# Altium PCB 同向放大器.PcbDoc
Units mm, origin at the board's own origin, x right, y up, seen from the top; angles counter-clockwise.
Board outline 36 x 27 mm, 2 copper layers (Top Layer, Bottom Layer); 20 components, 10 nets, 52 pads, 5 vias.
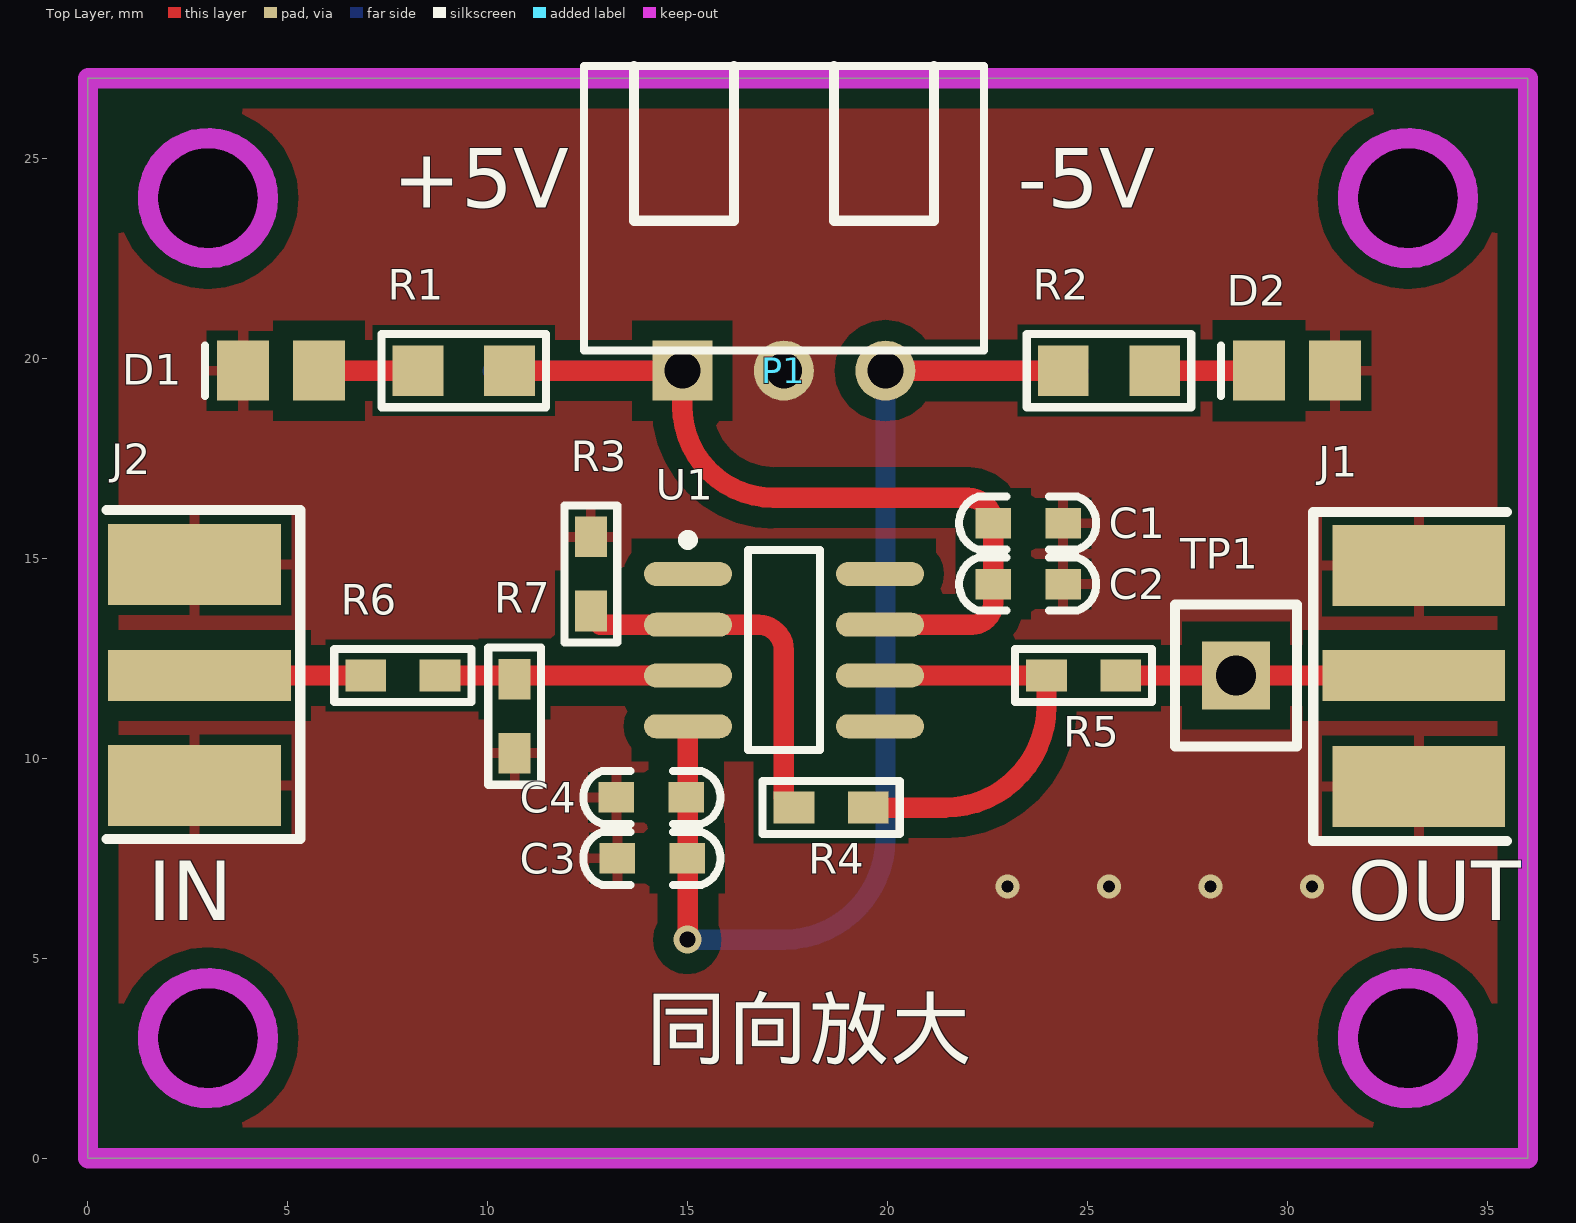
[diagram p0: Top Layer view]
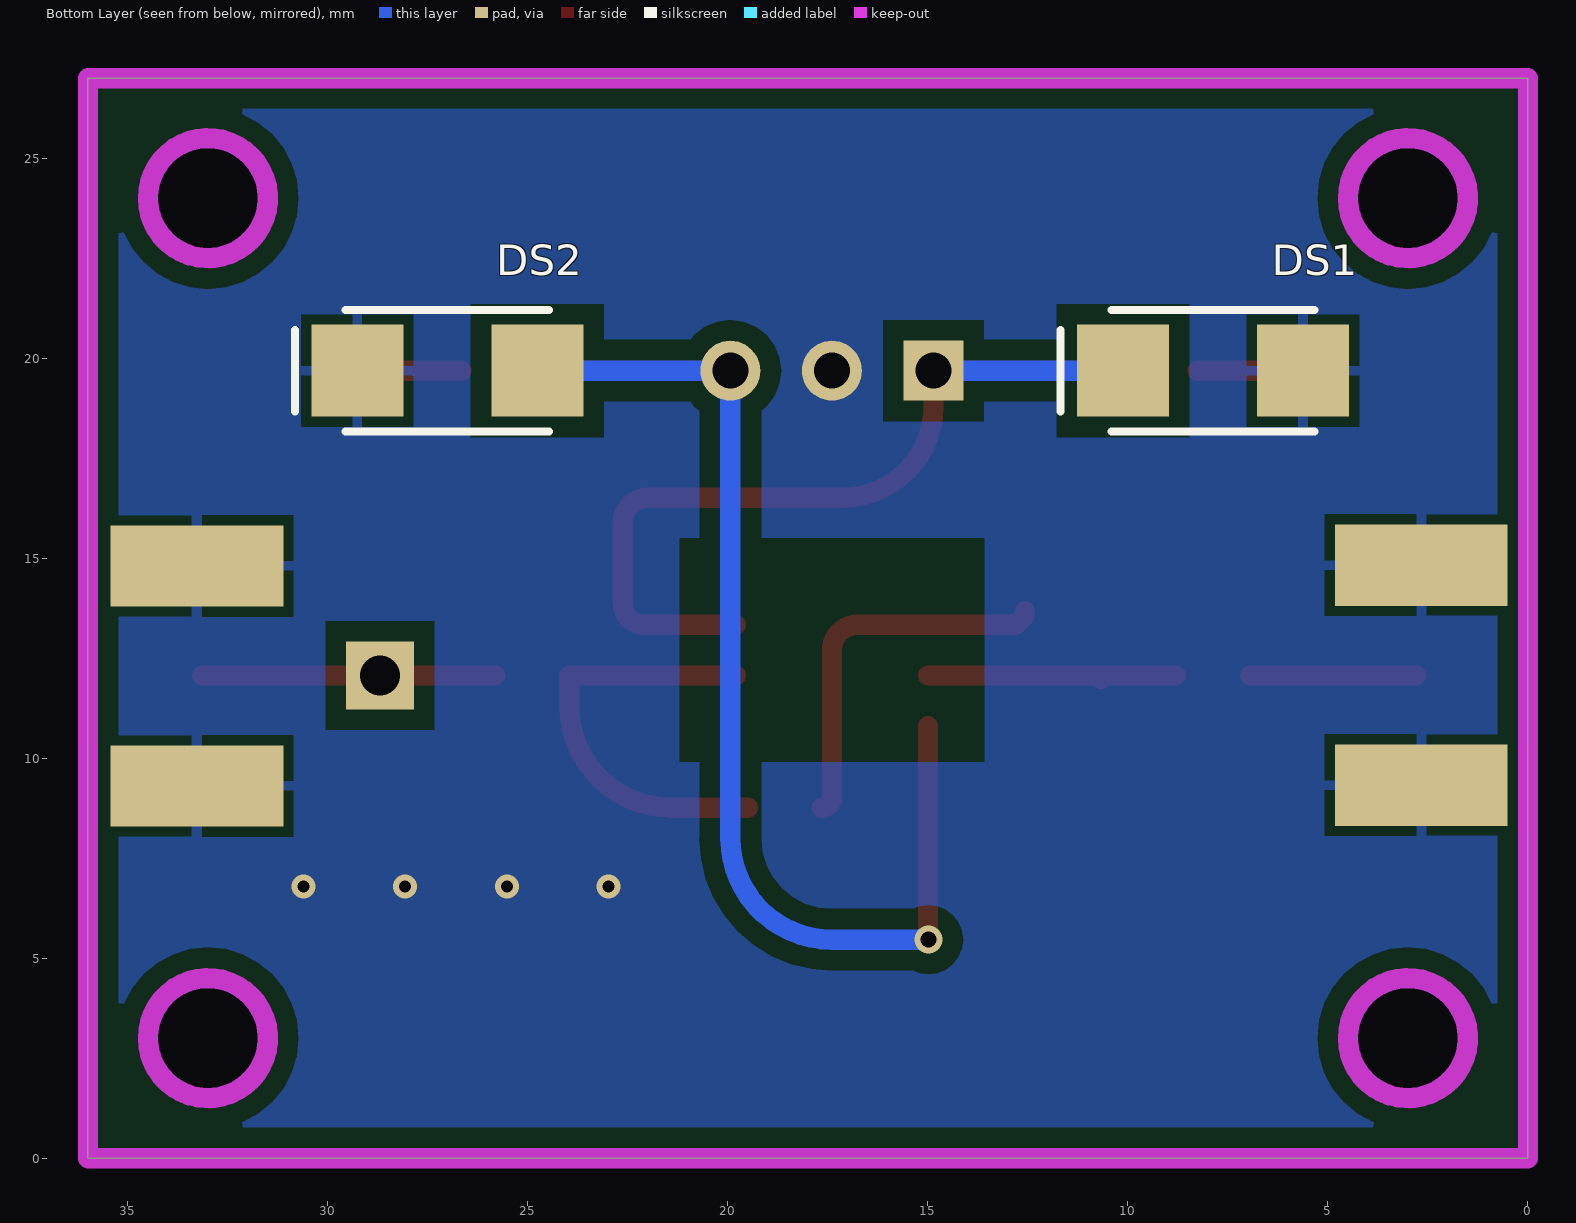
[diagram p1: Bottom Layer view, seen from below]
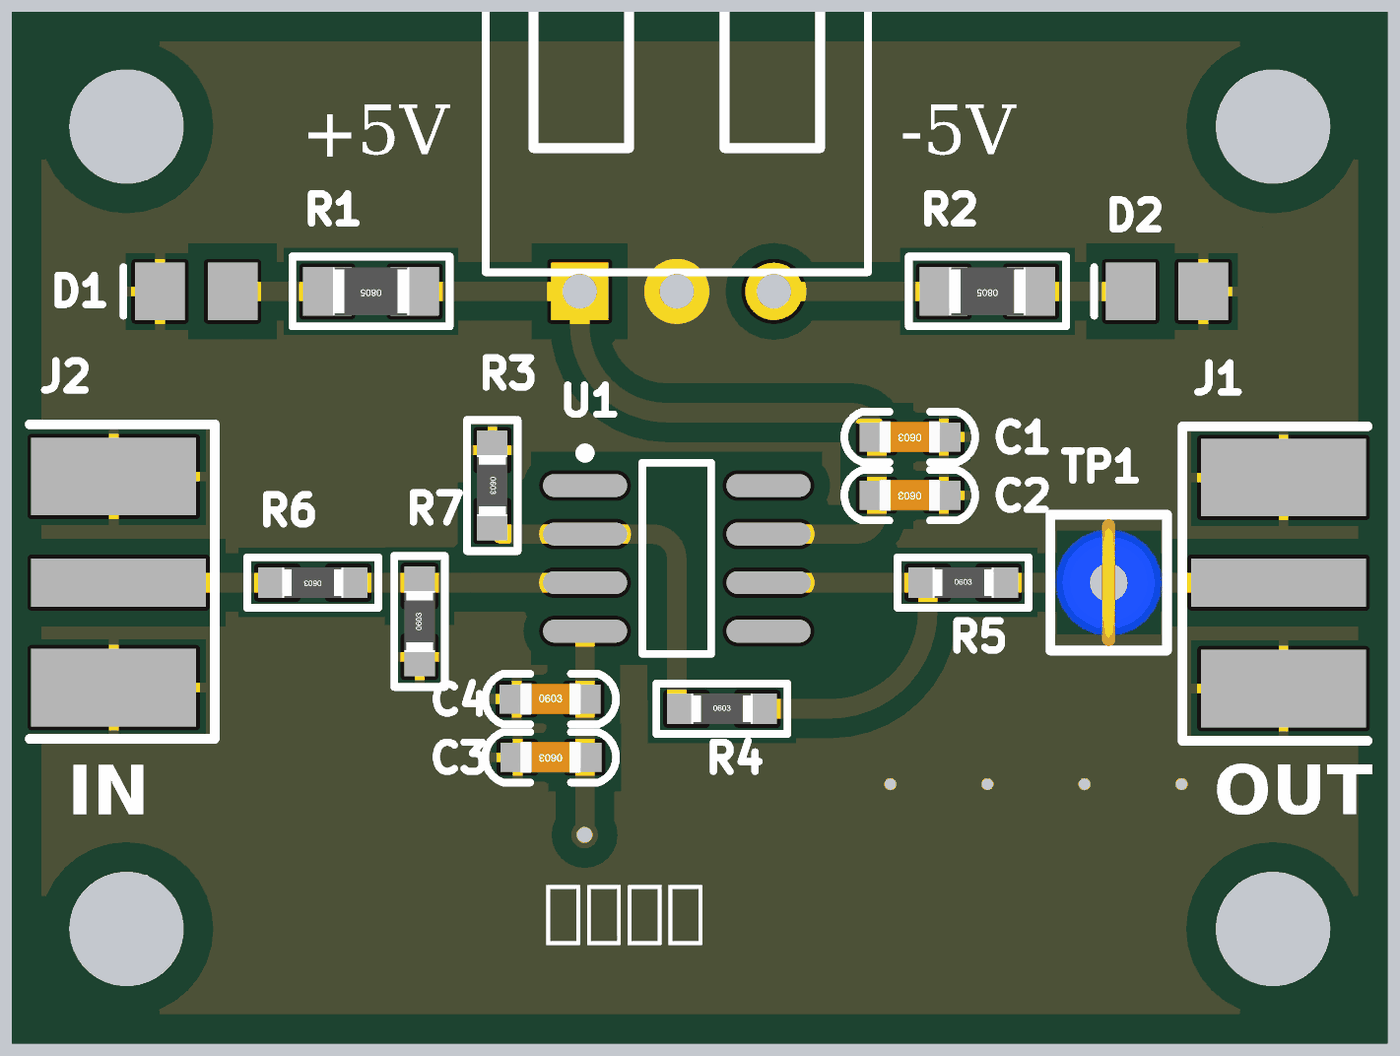
[diagram p2: 3D render of the assembled board from above, using the file's embedded part models]

## Layer stack, top to bottom
Top Solder: solder mask 0.0102, Solder Resist, Dk 3.5
Top Layer: signal copper 0.0356
Dielectric 1: dielectric 0.32, FR-4, Dk 4.8
Bottom Layer: signal copper 0.0356
Bottom Solder: solder mask 0.0102, Solder Resist, Dk 3.5

## Board outline
0,0 0,27 36,27 36,0
cut-out: 31.5,3 ccw(c33,3) 33,1.5 ccw(c33,3) 34.5,3 ccw(c33,3) 33,4.5 ccw(c33,3)
cut-out: 31.5,24 ccw(c33,24) 33,22.5 ccw(c33,24) 34.5,24 ccw(c33,24) 33,25.5 ccw(c33,24)
cut-out: 3,22.5 cw(c3,24) 1.5,24 cw(c3,24) 3,25.5 cw(c3,24) 4.5,24 cw(c3,24)
cut-out: 3,1.5 cw(c3,3) 1.5,3 cw(c3,3) 3,4.5 cw(c3,3) 4.5,3 cw(c3,3)

## Design rules (kind name [scope] priority, off if disabled: settings)
Clearance [All] p1: gap=0.254 ignorepadtopadclearanceinfootprint=FALSE except(0: Arc-Hole Track-Hole SMDPad-Hole THPad-Hole Via-Hole Fill-Hole Poly-Hole Region-Hole Text-Hole; 0.508: Arc-Poly Track-Poly SMDPad-Poly THPad-Poly Via-Poly Fill-Poly Poly-Poly)
MinimumSolderMaskSliver [All] p1: minsoldermaskwidth=0
PolygonConnect [All] p1: thpad.connectstyle=Direct thpad.reliefconductorwidth=0.254 thpad.reliefentries=4 thpad.polygonreliefangle="90 Angle" thpad.airgapwidth=0.254 smdpad.connectstyle=Relief smdpad.reliefconductorwidth=0.254 smdpad.reliefentries=4 smdpad.polygonreliefangle="90 Angle" smdpad.airgapwidth=0.254 via.connectstyle=Direct via.reliefconductorwidth=0.254 via.reliefentries=4 via.polygonreliefangle="90 Angle" via.airgapwidth=0.254
RoutingVias [All] p1: holewidth=0.3 width=0.6 viastyle="Through Hole" minholewidth=0.3 minwidth=0.6 maxholewidth=0.711 maxwidth=2.54
SilkToSilkClearance [All] p1: silktosilkclearance=0
SilkToSolderMaskClearance [IsPad] p1: minsilkscreentomaskgap=0 clearancetoexposedcopper=TRUE
SolderMaskExpansion [All] p1: expansion=0.102
Width [All] p1: maxlimit=1.27 minlimit=0.025 preferedwidth=0.508
27 further rules are at their usual default settings.

## Classes and differential pairs
component class 同向放大器: C1 C2 C3 C4 D1 D2 DS1 DS2 J1 J2 P1 R1 R2 R3 R4 R7 TP1 U1

## Components (designator, comment, footprint, x,y, rotation, side; value= is the part's Value field where it differs from the comment)
C1 "104" "C 0603" 23.495,15.875 r180 top
C2 "1uF" "C 0603" 23.495,14.351 r180 top
C3 "104" "C 0603" 14.097,7.493 r180 top
C4 "1uF" "C 0603" 14.097,9.017 r0 top
D1 "LED" LED_0805 4.826,19.685 r180 top
D2 "LED" LED_0805 30.226,19.685 r180 top
DS1 "D Schottky" DIODE-SMA 7.874,19.685 r0 bottom
DS2 "D Schottky" DIODE-SMA 27.015,19.685 r0 bottom
J1 "COAX" MCX5.08-5-H 33.147,12.065 r180 top
J2 "COAX" MCX5.08-5-H 2.794,12.065 r0 top
P1 "Header 3" HDR3X1_B2 17.399,19.685 r0 top
R1 "1K" "R 0805" 9.398,19.685 r180 top
R2 "1K" "R 0805" 25.527,19.685 r180 top
R3 "1K" "R 0603" 12.573,14.605 r270 top
R4 "1K" "R 0603" 18.58,8.763 r0 top
R5 "50" "R 0603" 24.892,12.065 r0 top
R6 "0" "R 0603" 7.874,12.065 r180 top
R7 "50" "R 0603" 10.668,11.049 r90 top
TP1 "TEST TP" "TEST TP1.4_B" 28.702,12.065 r270 top
U1 "OPA820" SOIC8_N 17.399,12.7 r0 top

## Footprints (in the part's own frame and the unit in brackets; to place one, negate y for a bottom-side part, rotate by r counter-clockwise, add the part's x,y. Pads: shape width x height; smd on the part's side, far side on the other; paste and mask are expansions set on the pad)
"C 0603" [mil] "无极性贴片电容"
  rect 35x30 smd: 1(-35,0) 2(34,0)
  silkscreen extent -67,-26 67,26, body extent -31,-16 31,16, height 32
DIODE-SMA [mm] "贴片二极管"
  rect 2.3x2.3 smd: 1(-2.25,0) 2(2.25,0)
  silkscreen extent -2.54,-1.52 3.81,1.52, body extent -2.92,-1.4 2.92,1.4, height 3
HDR3X1_B2 [mm] "Connector; Header; 3 Position"
  rect 1.5x1.5 hole 0.9: 1(-2.54,0)
  round 1.5 hole 0.9: 2(0,0) 3(2.54,0)
  silkscreen extent -5,0.5 5,7.62, body extent -5,0.5 5,7.62, height 6
LED_0805 [mm] "贴片二极管"
  rect 1.3x1.5 smd: 1(-0.95,0) 2(0.95,0)
  silkscreen extent 1.91,-0.63 1.91,0.64
MCX5.08-5-H [mil]
  rect 180x50 smd: 1(0,0)
  rect 170x80 smd: 2(-5,109.25) 5(-5,-108.27)
  rect 170x80 smd far side: 3(-5,108.66) 4(-5,-107.87)
  silkscreen extent -92,-161 99,163, body extent -93,-132 80,134, height 39
"R 0603" [mil] "1/10W贴片电阻"
  rect 40x31.5 smd: 1(-36.5,0) 2(36.5,0)
  silkscreen extent -68,-26 68,26, body extent -31,-16 32,16, height 16
"R 0805" [mil] "1/8W贴片电阻"
  rect 50x50 smd: 1(-45,0) 2(45,0)
  silkscreen extent -81,-36 81,36, body extent -39,-25 39,25, height 20
SOIC8_N [mm] "8-Pin Small Outline Integrated Circuit Package (SOIC8), IPC Medium Density"
  oval 2.2x0.6 smd: 1(-2.4,1.905) 2(-2.4,0.635) 3(-2.4,-0.635) 4(-2.4,-1.905) 5(2.4,-1.905) 6(2.4,-0.635) 7(2.4,0.635) 8(2.4,1.905)
  silkscreen extent -2.52,-2.5 0.9,2.88, body extent -1.95,-2.45 1.95,2.45, height 1.75
"TEST TP1.4_B" [mm] "蓝色，测试环"
  rect 1.7x1.7 hole 1: 1(0,0)
  silkscreen extent -1.78,-1.52 1.78,1.52, body extent -1.67,-1.4 1.67,1.4, height 5.41

## Part data
C1 C2 C3 C4: library part C, "无极性贴片电容"
D1 D2: "发光二极管", LatestRevisionDate=08-Jul-2005, LatestRevisionNote="Mech Layer 1 removed.", PackageReference=LED, Published=8-Jun-2000, Publisher="Altium Limited"
DS1 DS2: "Schottky Diode", Code_JEDEC=DO-214-AA, LatestRevisionDate=17-Jul-2002, LatestRevisionNote="Re-released for DXP Platform.", PackageDescription="DO-214-AA/SMB; 2 C-Bend Leads; Body 5.3 x 3.6 mm, inc. leads (LxW)", PackageReference=SMB, Published=8-Jun-2000, Publisher="Altium Limited"
P1: "接插件", LatestRevisionDate=17-Jul-2002, LatestRevisionNote="Re-released for DXP Platform.", Publisher="Altium Limited"
R1 R2 R3 R4 R5 R6 R7: library part R, "贴片电阻"
TP1: "测试环"
U1: "单位增益稳定低噪声电压反馈运算放大器"

## Via types
v1: diameter 0.6, hole 0.3, Top Layer to Bottom Layer, tented both sides, 4 vias
v2: diameter 0.7, hole 0.4, Top Layer to Bottom Layer, tented both sides, 1 vias

## Nets (pads, with @x,y where several pads share a name; then routed paths per layer and width w, separated by ;. In a path a pad name is that pad's centre, name@x,y a point inside that pad or via, vN(x,y) a via of type N, cw(c..) or ccw(c..) an arc to the next point about the centre after c; other vN are vias at no path point)
GND: C1.1 C2.1 C3.2 C4.1 D1.2 D2.1 DS1.1 DS2.2 J1.2 J1.3 J1.4 J1.5 J2.2 J2.3 J2.4 J2.5 P1.2 R3.1 R7.1
  other v1: 22.987,6.79 25.527,6.79 28.067,6.79 30.607,6.79
NetD1_1: D1.1 R1.2 | length 2.5
  Top Layer w0.508: D1.1 R1.2
NetD2_2: D2.2 R2.1 | length 2.6
  Top Layer w0.508: R2.1 D2.2
NetJ1_1: J1.1 R5.2 TP1.1 | length 7.3
  Top Layer w0.508: R5.2 TP1.1 J1.1
NetJ2_1: J2.1 R6.2 | length 4.2
  Top Layer w0.508: J2.1 R6.2
NetR3_2: R3.2 R4.1 U1.2 | length 9.5
  Top Layer w0.508: R3.2 12.573,13.57 12.808,13.335 U1.2 16.764,13.335 cw(c16.764,12.7) 17.399,12.7 17.399,9.017 ccw(c17.653,9.017) R4.1
NetR4_2: R4.2 R5.1 U1.6 | length 10.8
  Top Layer w0.508: R4.2 21.425,8.763 ccw(c21.425,11.303) 23.965,11.303 R5.1 U1.6
NetR6_1: R6.1 R7.2 U1.3 | length 6.3
  Top Layer w0.508: R6.1 R7.2@10.668,12.065 ; R7.2 R7.2@10.668,12.065 ; U1.3 R7.2@10.668,12.065
VCC: C1.2 C2.2 DS1.2 P1.1 R1.1 U1.7 | length 24.5
  Top Layer w0.508: R1.1 P1.1 14.859,18.796 ccw(c17.145,18.796) 17.145,16.51 21.996,16.51 cw(c21.996,15.875) C1.2 C2.2 22.631,13.868 cw(c22.098,13.868) 22.098,13.335 U1.7
  Bottom Layer w0.508: DS1.2 P1.1
VEE: C3.1 C4.2 DS2.1 P1.3 R2.2 U1.4 | length 32.7
  Top Layer w0.508: v2(14.986,5.461) 14.999,5.461 U1.4 ; P1.3 R2.2
  Bottom Layer w0.508: v2(14.986,5.461) 17.399,5.461 ccw(c17.399,8.001) 19.939,8.001 P1.3 DS2.1
pads on no net: U1.1 U1.5 U1.8

## Polygon pours and split planes (outlines as drawn)
GND on Bottom Layer "Top Layer-No Net1" (solid, remove dead copper, pour order 29): 0,0 0,27 36,27 36,0
GND on Top Layer "Top Layer-No Net" (solid, remove dead copper, pour order 28): 0,0 0,27 36,27 36,0

## Keep-outs
Keep-Out Layer:
  circle w0.508: c3,3 r1.5
  circle w0.508: c33,3 r1.5
  circle w0.508: c33,24 r1.5
  circle w0.508: c3,24 r1.5
  lines w0.508: 0,0 0,27 36,27 36,0 0,0

## Other copper
Top Layer:
  pour cut-out: 13.589,15.494 21.209,15.494 21.209,9.906 13.589,9.906
Bottom Layer:
  pour cut-out: 13.589,15.494 21.209,15.494 21.209,9.906 13.589,9.906

## Silkscreen, mask and mechanical layers (free items; w line width, h text height)
Top Overlay:
  text "+5V" at 7.62,23.278 h2.54
  text "-5V" at 23.241,23.278 h2.54
  text "IN" at 1.5,5.461 h2.54
  text "OUT" at 31.496,5.461 h2.54
  text "同向放大" at 13.945,2.032 h2.54